# Altium PCB PCB_15122020_01BC.PcbDoc (part 3 of 9) (continued)
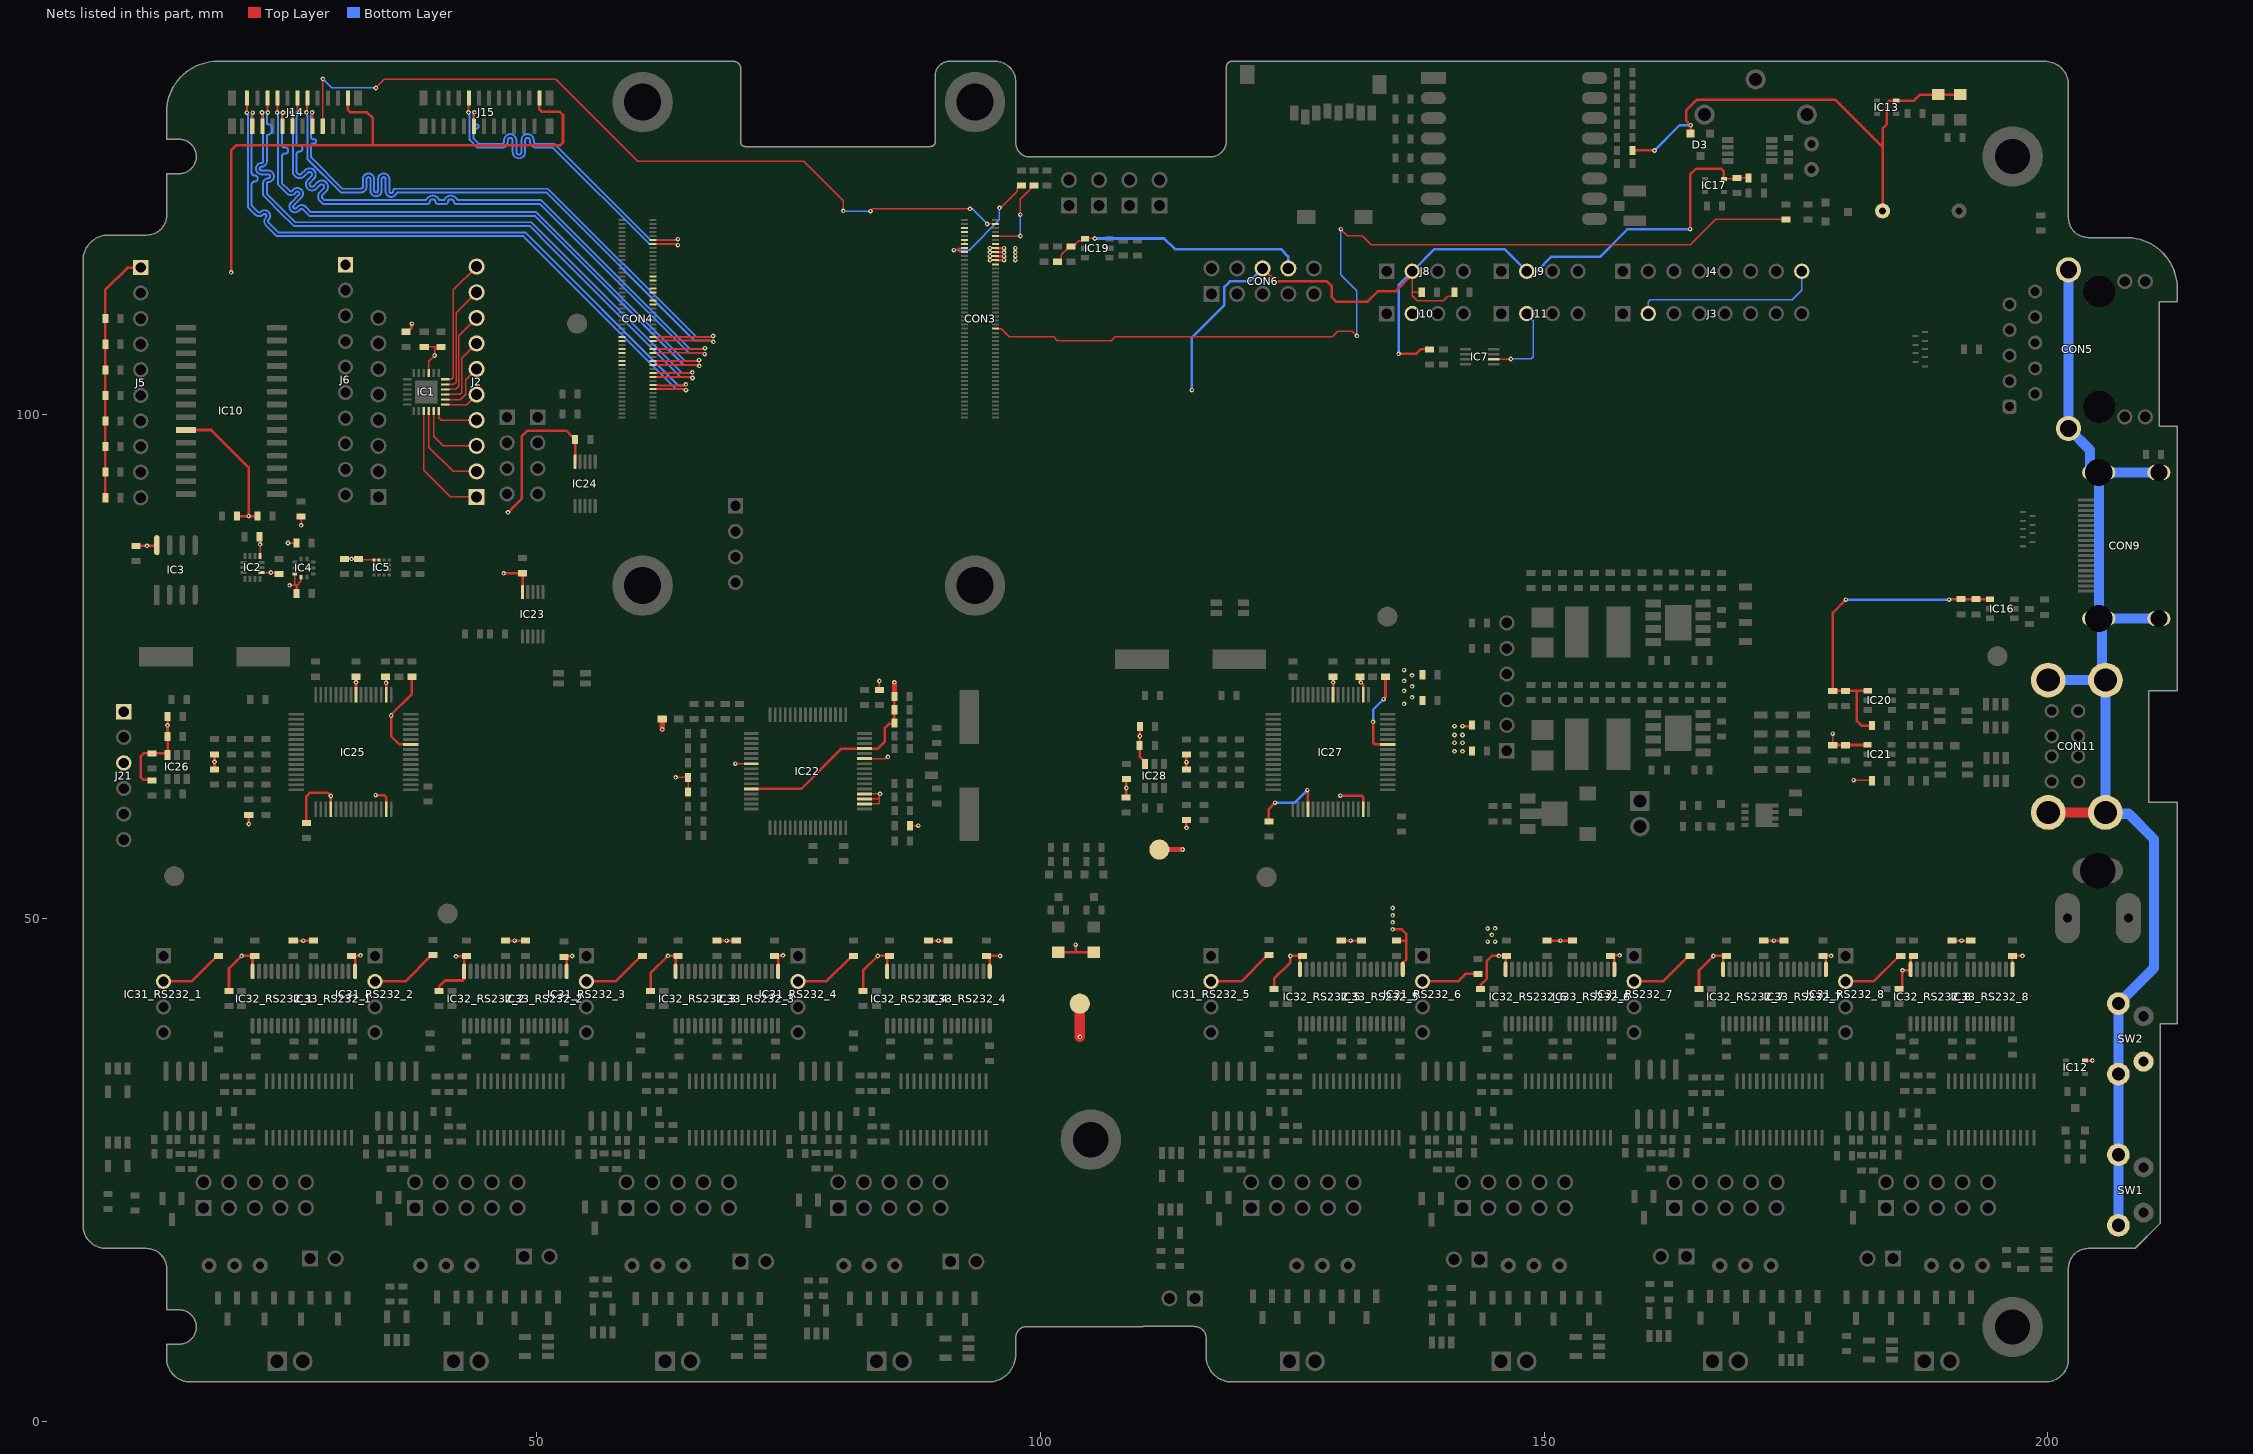
[diagram p5: the nets of this part, all layers, seen from the top]
## Part data (continued)
R107: library part RC0805JR-071ML, "1M Ohm 0805 5% 1/8W 100ppm/C", Case/Package=0805, Case Code (Metric)=2012, Manufacturer=Yageo, Max Operating Temperature=155°C, Max Power Dissipation=125mW, Min Operating Temperature=-55°C, Package Quantity=1, Resistance=1MR, Resistor Type="Thick Film", Supplier Part Number 1=311-1.0MARCT-ND, Temperature Coefficient=100ppm/°C, Tolerance=5%, Voltage Rating=150V, Case Code (Imperial)=0805, Category=Resistor, ComponentLink1Description=https://datasheet.ciiva.com/2519/pyu-r-int-thick-7-2519301.pdf?src-supplier=Digi-Key, ComponentLink1URL=https://datasheet.ciiva.com/2519/pyu-r-int-thick-7-2519301.pdf?src-supplier=Digi-Key, ComponentLink2Description=https://datasheet.ciiva.com/2519/pyu-r-int-thick-7-2519302.pdf?src-supplier=Digi-Key, ComponentLink2URL=https://datasheet.ciiva.com/2519/pyu-r-int-thick-7-2519302.pdf?src-supplier=Digi-Key, ComponentLink3Description=https://datasheet.ciiva.com/16796/rc0805-16796344.pdf?src-supplier=Future+Electronics, ComponentLink3URL=https://datasheet.ciiva.com/16796/rc0805-16796344.pdf?src-supplier=Future+Electronics, ComponentLink4Description=https://datasheet.ciiva.com/7941/442941-7941913.pdf?src-supplier=Element14, ComponentLink4URL=https://datasheet.ciiva.com/7941/442941-7941913.pdf?src-supplier=Element14, ComponentLink5Description=https://datasheet.ciiva.com/7941/442941-7941914.pdf?src-supplier=Element14, ComponentLink5URL=https://datasheet.ciiva.com/7941/442941-7941914.pdf?src-supplier=Element14, ComponentLink6Description=https://datasheet.ciiva.com/46395/444164-46395132.pdf?src-supplier=Element14, ComponentLink6URL=https://datasheet.ciiva.com/46395/444164-46395132.pdf?src-supplier=Element14, Contact Plating=Tin,Lead,Matte, Depth=1.25mm, Features="Moisture Resistant", Height=0.024inch, Lead Free="Lead Free", Length=0.079inch, Manufacturer Part Number=RC0805JR-071ML, Military Standard=Not, Number of Terminations=2, Packaging="Tape and Reel", Power Rating=125mW, Pricing 1="1 = 0,10000, 10 = 0,03100, 100 = 0,01270, 1000 = 0,00572, 2500 = 0,00497 (USD)", Radiation Hardening=No, REACH SVHC=Unknown, RoHS=Yes, Stock 1=699752, Supplier 1=Digi-Key, Termination=SMD/SMT, Width=0.049inch
SW1 SW2: "Right angle 6X6X9mm", Manufucturer="KLS ELECTRONIC", Category="Switches - Tactile Switches"
TP3 TP4 TP5: "test ölçüm noktasý", Category=TestPoint
TR1: "MOSFET BVDSS: 25V 30V POWERDI333", Continuous Drain Current (ID)=35A, Drain to Source Voltage (Vdss)=30V, Input Capacitance=1.674nF, Manufacturer=Diodes, Max Operating Temperature=150°C, Max Power Dissipation=940mW, Min Operating Temperature=-55°C, Supplier Part Number 1=DMP3013SFV-7DICT-ND, Category="Mosfet P-Channel", ComponentLink1Description=https://www.diodes.com/assets/Datasheets/DMP3013SFV.pdf?src-supplier=Digi-Key, ComponentLink1URL=https://www.diodes.com/assets/Datasheets/DMP3013SFV.pdf?src-supplier=Digi-Key, Manufacturer Part Number=DMP3013SFV-7, Mount="Surface Mount", Number of Pins=8, Packaging="Tape and Reel", Pricing 1="1 = 0,55000, 10 = 0,46900, 25 = 0,43760, 100 = 0,32500, 500 = 0,25376, 1000 = 0,20625 (USD)", Rds On Max=9.5mR, RoHS=No, Stock 1=611, Supplier 1=Digi-Key
TR2: "BIPOLAR TRANSISTOR, MED POWER, NPN, 80V, 1A, 3SOT89", Manufacturer=Nexperia, Supplier Part Number 1=1727-2930-1-ND, Category="Transistors - Bipolar (BJT) - Single", ComponentLink1Description=http://www.farnell.com/datasheets/2242063.pdf?src-supplier=Farnell, ComponentLink1URL=http://www.farnell.com/datasheets/2242063.pdf?src-supplier=Farnell, ComponentLink2Description=http://www.farnell.com/datasheets/2242063.pdf?src-supplier=Newark, ComponentLink2URL=http://www.farnell.com/datasheets/2242063.pdf?src-supplier=Newark, ComponentLink3Description=https://assets.nexperia.com/documents/data-sheet/BCP56_BCX56_BC56PA.pdf?src-supplier=Digi-Key, ComponentLink3URL=https://assets.nexperia.com/documents/data-sheet/BCP56_BCX56_BC56PA.pdf?src-supplier=Digi-Key, Manufacturer Part Number=BCX56-16,115, Pricing 1="1 = 0,39000, 10 = 0,27500, 25 = 0,25560, 100 = 0,13870, 500 = 0,11316 (USD)", RoHS=No, Stock 1=106375, Supplier 1=Digi-Key
TR3 TR6 TR7 TR8: "TRANS NPN 45V 0.1A SOT23", Manufacturer=Nexperia, Supplier Part Number 1=1727-4855-1-ND, Category=Transistor-BJT, ComponentLink1Description=http://www.farnell.com/datasheets/1856333.pdf?src-supplier=Farnell, ComponentLink1URL=http://www.farnell.com/datasheets/1856333.pdf?src-supplier=Farnell, ComponentLink2Description=https://assets.nexperia.com/documents/data-sheet/BC847_SER.pdf?src-supplier=Digi-Key, ComponentLink2URL=https://assets.nexperia.com/documents/data-sheet/BC847_SER.pdf?src-supplier=Digi-Key, ComponentLink3Description=http://www.farnell.com/datasheets/1856333.pdf?src-supplier=Newark, ComponentLink3URL=http://www.farnell.com/datasheets/1856333.pdf?src-supplier=Newark, ComponentLink4Description=http://www.farnell.com/datasheets/1856333.pdf?src-supplier=Element14, ComponentLink4URL=http://www.farnell.com/datasheets/1856333.pdf?src-supplier=Element14, Manufacturer Part Number=BC847,215, Pricing 1="1=0,14000, 10=0,12500, 100=0,06800, 500=0,04186, 1000=0,02854 (USD)", RoHS=No, Stock 1=236151, Supplier 1=Digi-Key
TVS1_RS232_1 TVS1_RS232_2 TVS1_RS232_3 TVS1_RS232_4 TVS1_RS232_5 TVS1_RS232_6 TVS1_RS232_7 TVS1_RS232_8 TVS2_RS232_1 TVS2_RS232_2 TVS2_RS232_3 TVS2_RS232_4 TVS2_RS232_5 TVS2_RS232_6 TVS2_RS232_7 TVS2_RS232_8 TVS3_RS232_1 TVS3_RS232_2 TVS3_RS232_3 TVS3_RS232_4 TVS3_RS232_5 TVS3_RS232_6 TVS3_RS232_7 TVS3_RS232_8 TVS4_RS232_1 TVS4_RS232_2 TVS4_RS232_3 TVS4_RS232_4 TVS4_RS232_5 TVS4_RS232_6 TVS4_RS232_7 TVS4_RS232_8: "TVS DIODE 12V 37V SOT23", Manufacturer=Nexperia, Supplier Part Number 1=1727-3809-1-ND, Category="Circuit Protection - TVS - Diodes", ComponentLink1Description=http://www.farnell.com/datasheets/698115.pdf?src-supplier=Farnell, ComponentLink1URL=http://www.farnell.com/datasheets/698115.pdf?src-supplier=Farnell, ComponentLink2Description=https://assets.nexperia.com/documents/data-sheet/PESDXL2BT_SER.pdf?src-supplier=Digi-Key, ComponentLink2URL=https://assets.nexperia.com/documents/data-sheet/PESDXL2BT_SER.pdf?src-supplier=Digi-Key, ComponentLink3Description=http://www.farnell.com/datasheets/698115.pdf?src-supplier=Newark, ComponentLink3URL=http://www.farnell.com/datasheets/698115.pdf?src-supplier=Newark, Manufacturer Part Number=PESD12VL2BT,215, Pricing 1="1 = 0,44000, 10 = 0,35700, 100 = 0,24320, 500 = 0,18240, 1000 = 0,13680 (USD)", RoHS=Yes, RoHS Compliant=Yes, Stock 1=13763, Supplier 1=Digi-Key
TVS9_RS232_1 TVS9_RS232_2 TVS9_RS232_3 TVS9_RS232_4 TVS9_RS232_5 TVS9_RS232_6 TVS9_RS232_7 TVS9_RS232_8: "ESD Suppressor TVS 12V Automotive 3-Pin SOT-23 T/R", Breakdown Voltage=13.3V, Capacitance=75pF, Case/Package=SOT-23-3, Clamping Voltage=31V, Leakage Current=20uA, Manufacturer=Littelfuse, Max Operating Temperature=125°C, Max Power Dissipation=600W, Max Surge Current=19A, Min Operating Temperature=-40°C, Package Quantity=3000, Power Line Protection=No, Reverse Standoff Voltage=12V, Supplier Part Number 1=F6450CT-ND, Category="Circuit Protection - TVS - Diodes", ComponentLink1Description=http://www.farnell.com/datasheets/2277128.pdf?src-supplier=Farnell, ComponentLink1URL=http://www.farnell.com/datasheets/2277128.pdf?src-supplier=Farnell, ComponentLink2Description=http://components.arrow.com/part/dataview/66888491S1073949N9157?src-supplier=Arrow, ComponentLink2URL=http://components.arrow.com/part/dataview/66888491S1073949N9157?src-supplier=Arrow, ComponentLink3Description=http://www.mouser.com/ds/2/240/Littelfuse_TVS_Diode_Array_SM712_Datasheet.pdf-345740.pdf?src-supplier=Mouser, ComponentLink3URL=http://www.mouser.com/ds/2/240/Littelfuse_TVS_Diode_Array_SM712_Datasheet.pdf-345740.pdf?src-supplier=Mouser, ComponentLink4Description=http://www.farnell.com/datasheets/2277128.pdf?src-supplier=Newark, ComponentLink4URL=http://www.farnell.com/datasheets/2277128.pdf?src-supplier=Newark, ComponentLink5Description=http://www.littelfuse.com/~/media/electronics/datasheets/tvs_diode_arrays/littelfuse_tvs_diode_array_sm712_datasheet.pdf.pdf?src-supplier=Digi-Key, ComponentLink5URL=http://www.littelfuse.com/~/media/electronics/datasheets/tvs_diode_arrays/littelfuse_tvs_diode_array_sm712_datasheet.pdf.pdf?src-supplier=Digi-Key, ComponentLink6Description=https://www.littelfuse.com/~/media/electronics/datasheets/tvs_diode_arrays/littelfuse_tvs_diode_array_sm712_datasheet.pdf.pdf?src-supplier=Digi-Key, ComponentLink6URL=https://www.littelfuse.com/~/media/electronics/datasheets/tvs_diode_arrays/littelfuse_tvs_diode_array_sm712_datasheet.pdf.pdf?src-supplier=Digi-Key, Composition=Zener, Depth=1.4mm, Direction=Bidirectional, Element Configuration=Dual, Lead Free="Lead Free", Length=3.04mm, Manufacturer Part Number=SM712-02HTG, Min Breakdown Voltage=13.3V, Mount="Surface Mount", Number of Bidirectional Channels=2, Number of Channels=2, Number of Pins=3, Packaging="Tape and Reel", Peak Pulse Current=19A, Peak Pulse Power=600W, Polarity=Bidirectional, Pricing 1="1 = 0,82000, 10 = 0,72100, 25 = 0,63880, 100 = 0,55620, 250 = 0,48412, 500 = 0,41200, 1000 = 0,32960 (USD)", Radiation Hardening=No, RoHS=Yes, Stock 1=55460, Supplier 1=Digi-Key, Termination=SMD/SMT, Working Voltage=12V
TVS10 TVS11: "WURTH ELEKTRONIK - 824015 - TVS Diode, 82401 Series, Bidirectional, 5 V, 13 V, SOT-23, 6 Pins", Breakdown Voltage=6.1V, Capacitance=2pF, Case/Package=SOT-23, Clamping Voltage=7.8V, Manufacturer="Wurth Electronics", Max Operating Temperature=125°C, Max Reverse Leakage Current=5A, Max Surge Current=12A, Min Breakdown Voltage=6V, Min Operating Temperature=-55°C, Package Quantity=3000, Peak Pulse Current=4A, Power Line Protection=Yes, Reverse Standoff Voltage=5V, Supplier Part Number 1=732-4467-1-ND, Test Current=1mA, Category="Circuit Protection - TVS - Diodes", ComponentLink1Description=https://datasheet.ciiva.com/15063/824015-15063920.pdf?src-supplier=Digi-Key, ComponentLink1URL=https://datasheet.ciiva.com/15063/824015-15063920.pdf?src-supplier=Digi-Key, ComponentLink2Description=https://datasheet.ciiva.com/26308/824015-eng-tds-26308060.pdf?src-supplier=Distrelec, ComponentLink2URL=https://datasheet.ciiva.com/26308/824015-eng-tds-26308060.pdf?src-supplier=Distrelec, Direction=Unidirectional, ESD Protection=Yes, Height=1.16mm, Length=2.9mm, Manufacturer Part Number=824015, Max Breakdown Voltage=6.1V, Mount="Surface Mount", Number of Bidirectional Channels=4, Number of Channels=4, Number of Pins=6, Operating Supply Voltage=6V, Packaging="Tape and Reel", Polarity=Bidirectional, Pricing 1="1 = 0,85000, 10 = 0,80600, 50 = 0,75300, 100 = 0,69900, 500 = 0,61800 (USD)", REACH SVHC=Unknown, RoHS=Yes, Stock 1=15203, Supplier 1=Digi-Key, Termination=SMD/SMT, Width=2.8mm, Working Voltage=5V
TVS12 TVS13: "TVS DIODE 5V 10.5V DFN3810-9", Manufacturer="Wurth Electronics", Supplier Part Number 1=732-11797-1-ND, Category="Circuit Protection - TVS - Diodes", ComponentLink1Description=https://katalog.we-online.de/pbs/datasheet/824014885.pdf?src-supplier=Digi-Key, ComponentLink1URL=https://katalog.we-online.de/pbs/datasheet/824014885.pdf?src-supplier=Digi-Key, Manufacturer Part Number=824014885, Pricing 1="1 = 1,19000, 10 = 1,08000, 100 = 0,97000, 500 = 0,85000, 1000 = 0,76000 (USD)", RoHS=No, Stock 1=5123, Supplier 1=Digi-Key
XTAL1: library part AB26T-32.768KHZ, "CRYSTAL 32.7680KHZ 12.5PF T/H", Case/Package=Radial, ESR (Equivalent Series Resistance)=35kR, Frequency=32.768kHz, Frequency Stability=-0.034ppm, Frequency Tolerance=20ppm, Load Capacitance=12.5pF, Manufacturer=Abracon, Max Operating Temperature=60°C, Min Operating Temperature=-10°C, Package Quantity=500, Supplier Part Number 1=535-9032-ND, Category=Crystals, ComponentLink1Description=https://datasheet.ciiva.com/3174/ab26t-3174133.pdf?src-supplier=Avnet, ComponentLink1URL=https://datasheet.ciiva.com/3174/ab26t-3174133.pdf?src-supplier=Avnet, ComponentLink2Description=https://datasheet.ciiva.com/16506/ab26t-16506517.pdf?src-supplier=Future+Electronics, ComponentLink2URL=https://datasheet.ciiva.com/16506/ab26t-16506517.pdf?src-supplier=Future+Electronics, ComponentLink3Description=https://datasheet.ciiva.com/15223/getdatasheetpartid-720060-15223238.pdf?src-supplier=Verical, ComponentLink3URL=https://datasheet.ciiva.com/15223/getdatasheetpartid-720060-15223238.pdf?src-supplier=Verical, ComponentLink4Description=https://datasheet.ciiva.com/854/ab26t-854460.pdf?src-supplier=Digi-Key, ComponentLink4URL=https://datasheet.ciiva.com/854/ab26t-854460.pdf?src-supplier=Digi-Key, Height=0.244inch, Lead Free="Lead Free", Lead Pitch=0.8mm, Length=2.1mm, Manufacturer Part Number=AB26T-32.768KHZ, Mount="Through Hole", Packaging=Bulk, Pricing 1="1 = 0,21000, 10 = 0,17500, 50 = 0,15760, 100 = 0,14000, 500 = 0,13300, 1000 = 0,11200, 2500 = 0,10500, 5000 = 0,10150, 10000 = 0,09800 (USD)", REACH SVHC=Unknown, RoHS=Yes, Series Resistance=35kR, Stock 1=5808, Supplier 1=Digi-Key, Termination=Radial, Tolerance=20ppm
XTAL2: library part ABLS-24.000MHZ-B2-T, "CRYSTAL 24.0000MHZ 18PF SMD", Case/Package=SMD/SMT, ESR (Equivalent Series Resistance)=40R, Frequency=24MHz, Frequency Stability=50ppm, Frequency Tolerance=20ppm, Load Capacitance=18pF, Manufacturer=Abracon, Max Operating Temperature=70°C, Min Operating Temperature=-20°C, Package Quantity=1000, Supplier Part Number 1=535-9076-1-ND, Category=Crystals, ComponentLink1Description=https://datasheet.ciiva.com/26927/getdatasheetpartid-771243-26927969.pdf?src-supplier=Verical, ComponentLink1URL=https://datasheet.ciiva.com/26927/getdatasheetpartid-771243-26927969.pdf?src-supplier=Verical, ComponentLink2Description=https://datasheet.ciiva.com/15116/getdatasheetpartid-719917-15116794.pdf?src-supplier=Verical, ComponentLink2URL=https://datasheet.ciiva.com/15116/getdatasheetpartid-719917-15116794.pdf?src-supplier=Verical, ComponentLink3Description=https://datasheet.ciiva.com/854/abls-854291.pdf?src-supplier=Digi-Key, ComponentLink3URL=https://datasheet.ciiva.com/854/abls-854291.pdf?src-supplier=Digi-Key, ComponentLink4Description=https://datasheet.ciiva.com/854/abls-854292.pdf?src-supplier=Digi-Key, ComponentLink4URL=https://datasheet.ciiva.com/854/abls-854292.pdf?src-supplier=Digi-Key, ComponentLink5Description=https://datasheet.ciiva.com/854/abls-854293.pdf?src-supplier=Digi-Key, ComponentLink5URL=https://datasheet.ciiva.com/854/abls-854293.pdf?src-supplier=Digi-Key, ComponentLink6Description=https://datasheet.ciiva.com/3175/abls-3175381.pdf?src-supplier=Avnet, ComponentLink6URL=https://datasheet.ciiva.com/3175/abls-3175381.pdf?src-supplier=Avnet, ComponentLink7Description=https://datasheet.ciiva.com/7998/abls-7998426.pdf?src-supplier=Element14, ComponentLink7URL=https://datasheet.ciiva.com/7998/abls-7998426.pdf?src-supplier=Element14, ComponentLink8Description=https://datasheet.ciiva.com/16296/abls-16296138.pdf?src-supplier=Future+Electronics, ComponentLink8URL=https://datasheet.ciiva.com/16296/abls-16296138.pdf?src-supplier=Future+Electronics, Contact Plating=Tin, Depth=4.7mm, Height=0.165inch, Lead Free="Lead Free", Length=11.4mm, Manufacturer Part Number=ABLS-24.000MHZ-B2-T, Mount="Surface Mount", Number of Pins=2, Packaging="Tape and Reel", Pricing 1="1 = 0,50000, 10 = 0,41300, 50 = 0,37120, 100 = 0,33000, 500 = 0,31350 (USD)", Radiation Hardening=No, REACH SVHC="No SVHC", RoHS=Yes, Series Resistance=40R, Stock 1=10538, Supplier 1=Digi-Key, Termination=SMD/SMT, Tolerance=20ppm, Width=0.185inch
XTAL3 XTAL4: "12MHZ, 18PF, HC-49US", ESR (Equivalent Series Resistance)=50R, Frequency=12MHz, Frequency Stability=30ppm, Load Capacitance=18pF, Manufacturer=Abracon, Max Operating Temperature=85°C, Min Operating Temperature=-40°C, Package Quantity=1000, Supplier Part Number 1=535-9869-1-ND, Category=Crystals, ComponentLink1Description=https://datasheet.ciiva.com/15116/getdatasheetpartid-719896-15116779.pdf?src-supplier=Verical, ComponentLink1URL=https://datasheet.ciiva.com/15116/getdatasheetpartid-719896-15116779.pdf?src-supplier=Verical, ComponentLink2Description=https://datasheet.ciiva.com/16208/abls2-16208630.pdf?src-supplier=Future+Electronics, ComponentLink2URL=https://datasheet.ciiva.com/16208/abls2-16208630.pdf?src-supplier=Future+Electronics, ComponentLink3Description=https://datasheet.ciiva.com/854/abls2-854393.pdf?src-supplier=Digi-Key, ComponentLink3URL=https://datasheet.ciiva.com/854/abls2-854393.pdf?src-supplier=Digi-Key, ComponentLink4Description=https://datasheet.ciiva.com/854/abls2-854394.pdf?src-supplier=Digi-Key, ComponentLink4URL=https://datasheet.ciiva.com/854/abls2-854394.pdf?src-supplier=Digi-Key, ComponentLink5Description=https://datasheet.ciiva.com/3175/abls2-3175498.pdf?src-supplier=Avnet, ComponentLink5URL=https://datasheet.ciiva.com/3175/abls2-3175498.pdf?src-supplier=Avnet, ComponentLink6Description=https://datasheet.ciiva.com/854/abls2-854395.pdf?src-supplier=Digi-Key, ComponentLink6URL=https://datasheet.ciiva.com/854/abls2-854395.pdf?src-supplier=Digi-Key, ComponentLink7Description=https://datasheet.ciiva.com/7998/abls2-7998445.pdf?src-supplier=Element14, ComponentLink7URL=https://datasheet.ciiva.com/7998/abls2-7998445.pdf?src-supplier=Element14, Depth=4.7mm, Frequency Tolerance=30ppm, Height=0.13inch, Lead Free="Lead Free", Length=11.4mm, Manufacturer Part Number=ABLS2-12.000MHZ-D4Y-T, Mount="Surface Mount", Number of Pins=2, Packaging="Tape and Reel", Pricing 1="1 = 0,40000, 10 = 0,33600, 50 = 0,30240, 100 = 0,26880, 500 = 0,25536 (USD)", REACH SVHC=Unknown, RoHS=Yes, Series Resistance=50R, Stock 1=149858, Supplier 1=Digi-Key, Termination=SMD/SMT, Tolerance=30ppm, Width=4.7mm
F1 F2 F3 F4 F5: Category=Fiducial

## Via types
v1: diameter 0.46, hole 0.2, Top Layer to Bottom Layer, tented both sides, 1697 vias

## Nets (pads, with @x,y where several pads share a name; then routed paths per layer and width w, separated by ;. In a path a pad name is that pad's centre, name@x,y a point inside that pad or via, vN(x,y) a via of type N, cw(c..) or ccw(c..) an arc to the next point about the centre after c; other vN are vias at no path point)
+3V3: BZ1.1 C1.1 C6.1 C7.1 C55_RS232_1.2 C55_RS232_2.2 C55_RS232_3.2 C55_RS232_4.2 C55_RS232_5.2 C55_RS232_6.2 C55_RS232_7.2 C55_RS232_8.2 C58.1 C59.1 C60.1 C61.1 C72.1 C74.1 C84.1 C87.1 C88.1 C95.1 C96.1 C97.1 C98.1 C103.2 C110.1 C111.1 C112.1 C113.1 C118.2 C120_RS232_1.2 C120_RS232_2.2 C120_RS232_3.2 C120_RS232_4.2 C120_RS232_5.2 C120_RS232_6.2 C120_RS232_7.2 C120_RS232_8.2 CON6.8 D3.2 FR1.2 FR3.2 FR17.1 FR18.1 FR19.1 FR20.1 IC1.21 IC2.5 IC2.8 IC3.8 IC4.1 IC4.10 IC5.9 IC5.10 IC5.11 IC5.12 IC7.2 IC10.9 IC12.5 IC13.5 IC19.1 IC22.23 IC22.28 IC22.50 IC22.51 IC22.52 IC22.59 IC22.61 IC23.10 IC24.10 IC25.20 IC25.31 IC25.42 IC25.50 IC25.56 IC26.6 IC27.20 IC27.31 IC27.42 IC27.50 IC27.56 IC28.6 IC32_RS232_1.16 IC32_RS232_2.16 IC32_RS232_3.16 IC32_RS232_4.16 IC32_RS232_5.16 IC32_RS232_6.16 IC32_RS232_7.16 IC32_RS232_8.16 IC33_RS232_1.1 IC33_RS232_2.1 IC33_RS232_3.1 IC33_RS232_4.1 IC33_RS232_5.1 IC33_RS232_6.1 IC33_RS232_7.1 IC33_RS232_8.1 J3.2 J4.8 J5.1 J6.1 J10.2 J11.2 J14.22 J15.22 J21.1 LED1.1 LED2.1 LED5.1 LED6.1 R1.2 R2.2 R14.2 R15.2 R16.2 R17.2 R18.2 R19.2 R20.2 R21.2 R22.2 R51.2 R52.2 R56_RS232_1.1 R56_RS232_2.1 R56_RS232_3.1 R56_RS232_4.1 R56_RS232_5.1 R56_RS232_6.1 R56_RS232_7.1 R56_RS232_8.1 R60.2 R69_RS232_1.1 R69_RS232_2.1 R69_RS232_3.1 R69_RS232_4.1 R69_RS232_5.1 R69_RS232_6.1 R69_RS232_7.1 R69_RS232_8.1 R76.1 R79.2 R83.2 R84.1 R85.2 R90_RS232_1.1 R90_RS232_2.1 R90_RS232_3.1 R90_RS232_4.1 R90_RS232_5.1 R90_RS232_6.1 R90_RS232_7.1 R90_RS232_8.1 R95.2 R98.2 R109.1 R112.2 R113.2 R114.2 R116.1 R119.2 R120.2 R121.2 R125.2 SW2.1 TP4.1 | length 443.2
  Top Layer w0.127: R83.2@22.481,87.85 22.531,87.8 v1(22.531,87.1) IC2.8@22.531,85.96 ; IC2.5@22.691,84.3 v1(23.6,84.3) 24.25,84.3 C58.1@24.4,84.15 ; v1(25.3,87.225) R84.1@26.131,87.225 ; v1(25.46,83.02) 26.126,83.02 ; IC4.10@25.967,84.15 25.967,83.179 26.126,83.02 ; IC4.1@26.581,83.836 26.581,83.414 26.156,82.989 26.126,83.02 ; v1(26.6,88.975) R22.2@26.6,89.85 ; C61.1@30.9,85.65 v1(31.6,85.65) R85.2@32.3,85.65 32.4,85.55 IC5.10@33.85,85.55 ; v1@32.05,73.3 v1(32.05,73.4) ; IC5.12@33.85,84.55 IC5.11@33.85,85.05 IC5.10@33.85,85.55 ; IC5.9@34.35,85.55 IC5.10@33.85,85.55 ; v1(35.05,73.343) v1@35.05,73.4 ; C1.1@38.825,106.7 39.763,106.7 ; IC1.21@39.275,104.115 39.275,105.252 v1(39.863,105.84) 39.863,106.6 39.763,106.7 ; R2.2@40.5,106.7 39.763,106.7 ; v1(63.778,63.972) R98.2@65.027,63.972 R60.2@65.027,62.529 ; v1(69.705,65.321) IC22.23@71.299,65.321 ; IC22.50@82.526,61.321 83.939,61.321 84.013,61.396 84.013,61.919 ; IC22.51@82.526,61.821 83.916,61.821 84.013,61.919 ; IC22.52@82.526,62.321 v1(84.065,62.321) 84.013,62.27 84.013,61.919 ; IC22.59@82.526,65.821 84.575,65.821 84.754,66 v1(84.841,66) ; v1(84,73.524) 84,72.65 R125.2@84.013,72.636 ; R95.2@87.031,59.162 v1(87.878,59.162) ; R76.1@101.688,115.15 101.838,115.15 102.075,115.387 102.075,115.837 102.888,116.65 R79.2@103.038,116.65 103.188,116.65 103.776,117.238 104.227,117.238 IC19.1@104.438,117.449 104.447,117.458 v1(105.4,117.458) ; v1@131.7,73.505 v1(131.803,73.403) ; IC7.2@145.005,105.475 145.018,105.488 146.688,105.488 v1(146.7,105.5) ; IC33_RS232_8.1@196.488,44.9 C120_RS232_8.2@196.488,46.25